# Altium PCB FLoRa0.0.PcbDoc (part 2 of 2)
Units mm, origin at the board's own origin, x right, y up, seen from the top; angles counter-clockwise.
Board outline 112 x 37.06 mm, 4 copper layers (Top Layer, GND, 3V3, Bottom Layer), stack 1.803 mm thick; 75 components, 70 nets, 305 pads, 330 vias.
Unrouted connection lines stored in the file: 3.
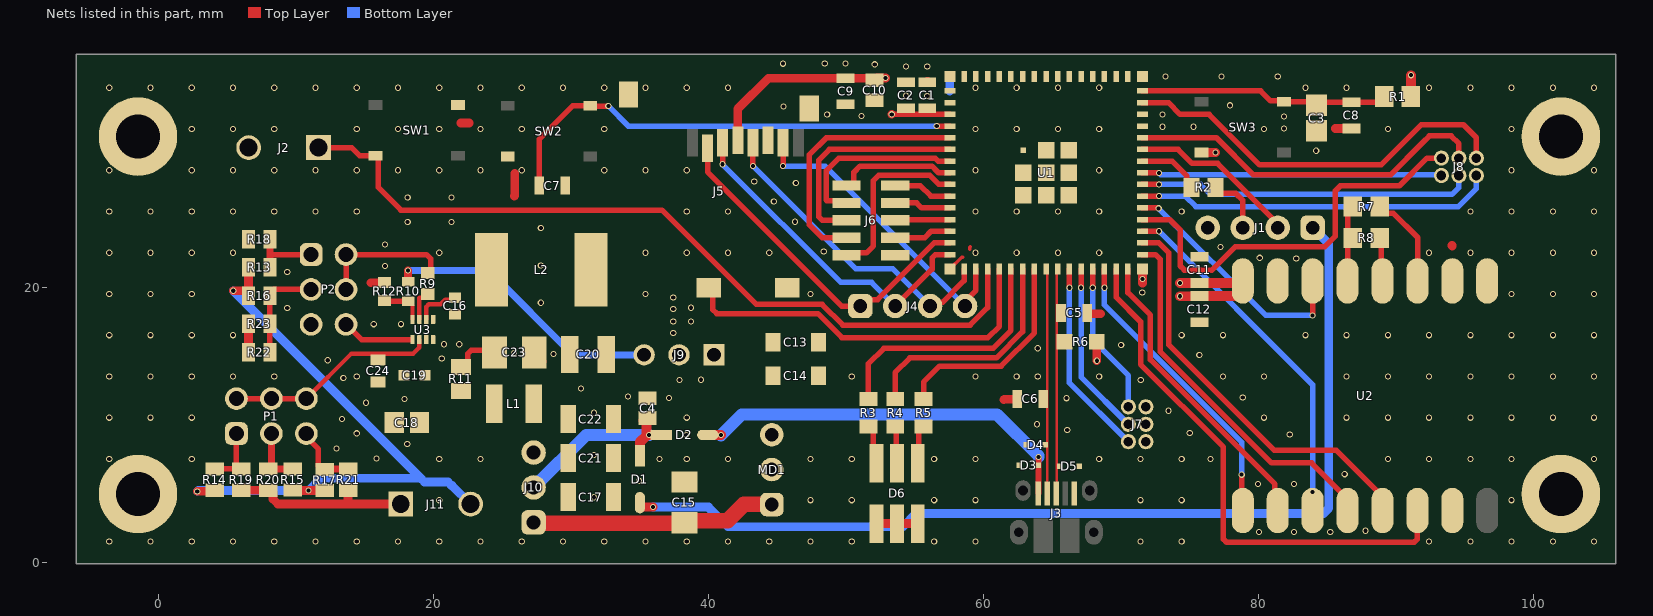
[diagram p4: the nets of this part, all layers, seen from the top]

## Via types
v1: diameter 0.45, hole 0.3, Top Layer to Bottom Layer, tented both sides, 330 vias

## Nets (pads, with @x,y where several pads share a name; then routed paths per layer and width w, separated by ;. In a path a pad name is that pad's centre, name@x,y a point inside that pad or via, vN(x,y) a via of type N, cw(c..) or ccw(c..) an arc to the next point about the centre after c; other vN are vias at no path point)
3V3: C1.1 C2.1 C9.1 C10.2 C11.1 C12.1 J5.P4 J7.2 J7.4 J9.2 R1.2 R6.2 U1.3 U2.3V3 | length 31
  Top Layer w0.4: v1@53.33,32.615 U1.3@57.55,32.615
  Top Layer w0.635: J5.P4@42.135,30.75 42.135,33.025 44.357,35.247 51.918,35.247 C10.2@52.075,35.091 ; C10.2@52.249,35.265 v1(52.876,35.265) ; v1(53.328,32.618) v1@53.33,32.615 ; v1(68.244,14.698) R6.2@68.244,16.078 ; U2.3V3@78.71,20.35 U2.3V3@78.86,20.5
  Top Layer w0.7: v1(74.296,19.39) C12.1@75.699,19.39 ; v1(74.297,20.35) C11.1@75.7,20.35 U2.3V3@78.71,20.35 ; C12.1@75.7,19.4 78.366,19.4 78.86,19.894 U2.3V3@78.86,20.5 ; R1.2@91.092,33.912 v1(91.092,35.465)
  other v1: 37.89,13.302 39.465,13.316 37.434,16.717 37.434,17.558 38.72,17.558 37.434,18.462 38.72,18.553 37.434,19.305
ANT_SW: R7.1 R8.1 U2.DIO2 | length 5.9
  Top Layer w0.4: U2.DIO2@86.48,20.5 86.48,23.247 R8.1@86.858,23.625 86.48,24.003 86.48,25.522 R7.1@86.858,25.9
B_LED: R3.1 U1.20 | length 18.4
  Top Layer w0.4: R3.1@51.633,11.917 51.633,14.481 52.751,15.599 60.704,15.599 62,16.895 62,20.39 U1.20@62,21.365
CHIP_PU: C3.1 C8.2 R1.1 SW3.2 U1.45 | length 18.3
  Top Layer w0.4: U1.45@71.55,34.315 80.164,34.315 80.879,33.6 SW3.2@81.86,33.6 ; SW3.2@81.86,33.545 83.951,33.545 C3.1@84.224,33.272 84.436,33.485 C8.2@86.764,33.485 88.715,33.485 R1.1@89.142,33.912
DATA_N: C6.1 D4.2 J3.2 U1.23 | length 15.5
  Top Layer w0.181: U1.23@64.55,21.375 64.63,21.295 64.63,18.786 64.63,8.995 64.63,8.568 64.63,5.95
DATA_P: C5.1 D5.2 J3.3 R6.1 U1.24 | length 15.5
  Top Layer w0.181: 65.32,5.95 65.32,21.295 65.4,21.375 U1.24@65.437,21.337
FB: R10.1 R12.2 U3.8 | length 3.2
  Top Layer w0.32: R10.1@18.166,19.033 18.466,18.732 U3.8@18.466,17.702
  Top Layer w0.4: R12.2@16.442,19.083 16.492,19.033 R10.1@18.166,19.033
FSPI_CLK: J4.3 J5.P5 U1.16 | length 22.9
  Top Layer w0.4: v1(43.235,28.86) J5.P5@43.235,30.55 ; J4.3@56.119,18.675 56.382,18.939 57.019,18.939 58.599,20.518 58.599,21.164 58.6,21.165 U1.16@58.6,21.365
  Bottom Layer w0.4: v1(43.235,28.86) 50.699,21.395 53.399,21.395 J4.3@56.119,18.675
FSPI_MISO: J4.4 J5.P7 U1.17 | length 22.2
  Top Layer w0.4: v1(45.415,28.86) 45.435,28.88 J5.P7@45.435,30.55 ; J4.4@58.659,18.675 58.659,19.019 59.45,19.81 59.45,20.39 U1.17@59.45,21.365
  Bottom Layer w0.4: v1(45.415,28.86) 48.474,28.86 J4.4@58.659,18.675
FSPI_MOSI: J4.2 J5.P3 U1.15 | length 24.4
  Top Layer w0.4: v1(41.026,28.984) 41.035,28.993 J5.P3@41.035,30.55 ; J4.2@53.579,18.675 56.264,21.36 56.264,22.181 56.498,22.415 U1.15@57.55,22.415
  Bottom Layer w0.4: v1(41.026,28.984) 49.62,20.39 51.864,20.39 J4.2@53.579,18.675
G_LED: R5.1 U1.22 | length 15.4
  Top Layer w0.4: R5.1@55.642,11.913 55.642,13.137 56.805,14.3 61.278,14.3 63.7,16.722 63.7,20.39 U1.22@63.7,21.365
GND: C1.2 C2.2 C3.2 C4.1 C5.2 C6.2 C7.1 C8.1 C9.2 C10.1 C11.2 C12.2 C13.2 C14.2 C15.2 C17.2 C18.2 C19.2 C20.1 C21.2 C22.2 C23.2 C24.2 D3.1 D4.1 D5.1 D6.1 D6.3 D6.5 J1.4 J2.2 J3.5 J5.CD2 J5.G1 J5.G2 J5.P6 J6.1 J7.6 J11.1 MD1.2 P2.5 pad.MH1 pad.MH2 pad.MH3 pad.MH4 R12.1 R18.1 R19.1 R20.1 R21.1 R22.1 R23.1 SW1.2 SW2.3 SW3.3 U1.1 U1.2 U1.42 U1.43 U1.46 U1.47 U1.48 U1.49 U1.50 U1.51 U1.52 U1.53 U1.54 U1.55 U1.56 U1.57 U1.58 U1.59 U1.60 U1.61 U1.61_1 U1.61_2 U1.61_3 U1.61_4 U1.61_5 U1.61_6 U1.61_7 U1.61_8 U1.62 U1.63 U1.64 U1.65 U2.GND U3.4 | length 33.8
  Top Layer w0.254: U1.63@57.55,21.365 58.411,22.226 58.502,22.226 ; 59.007,22.822 59.007,22.96 59.025,22.978
  Top Layer w0.635: R19.1@6.022,5.276 R20.1@7.962,5.276 8.162,5.276 8.32,5.119 8.32,4.642 8.692,4.27 13.783,4.27 ; R22.1@6.541,15.316 R23.1@6.541,17.372 ; R21.1@13.783,5.276 13.783,4.27 ; 15.447,20.375 16.435,20.375 R12.1@16.442,20.383 ; C18.2@17.065,10.266 C18.2@17.132,10.2 ; J11.1@17.603,4.27 13.783,4.27 ; 21.984,31.985 22.584,31.985 ; 25.879,26.67 25.909,26.699 25.909,28.321 ; C23.2@27.329,15.295 27.329,15.217 C23.2@27.912,14.635 ; C17.2@33.096,4.778 33.096,4.5 C17.2@33.329,4.268 ; C22.2@33.096,10.453 C22.2@33.329,10.686 ; C21.2@33.1,7.621 33.1,7.913 C21.2@33.333,8.145 ; J5.G1@34.153,34.072 J5.G1@34.175,34.05 ; C15.2@38.241,5.884 C15.2@38.252,5.873 ; J5.CD2@45.285,20.383 45.667,20 J5.CD2@45.725,20 ; C14.2@48,13.603 C14.2@48.05,13.653 ; C13.2@48,16.025 C13.2@48,16.15 ; C10.1@51.906,33.453 C10.1@51.998,33.545 ; D6.1@52.216,2.85 D6.3@53.716,2.85 D6.5@55.216,2.85 ; C1.2@55.914,35.002 C1.2@55.94,35.028 ; 61.468,11.859 61.512,11.903 62.414,11.903 62.425,11.913 C6.2@62.447,11.913 ; C5.2@67.539,18.179 67.572,18.146 67.572,18.12 68.504,18.12 ; 71.564,20.355 U1.64@71.564,21.351 ; SW3.3@75.86,29.845 v1(76.876,29.845) ; J1.4@76.32,24.095 J1.4@76.32,24.375 ; C3.2@83.781,31.864 C3.2@84.224,31.422 ; 85.598,31.585 C8.1@86.764,31.585 ; 94.075,23.07 94.1,23.045 ; U2.GND@94.1,3.8 U2.GND@94.107,3.793
  Bottom Layer w0.635: 57.55,34.315 57.55,35.365
  other v1: -3.586,1.554 -0.586,1.554 2.414,1.554 5.414,1.554 8.414,1.554 11.414,1.554 14.414,1.554 17.414,1.554 20.414,1.554 23.414,1.554 26.414,1.554 29.414,1.554 32.414,1.554 35.414,1.554 38.414,1.554 41.414,1.554 44.414,1.554 47.414,1.554 50.414,1.554 56.414,1.554 59.414,1.554 71.414,1.554 74.414,1.554 92.414,1.554 95.414,1.554 98.414,1.554 101.414,1.554 104.414,1.554 80.049,2.235 82.589,2.235 85.218,2.235 87.775,2.327 20.414,4.554 47.414,4.554 50.414,4.554 56.414,4.554 59.414,4.554 71.414,4.554 74.414,4.554 98.414,4.554 31.662,4.766 79.968,5.728 82.589,5.728 34.95,5.968 86.272,6.445 -3.586,7.554 2.414,7.554 20.414,7.554 23.414,7.554 36.437,7.554 38.414,7.554 41.414,7.554 47.414,7.554 50.414,7.554 56.414,7.554 59.414,7.554 68.414,7.554 71.414,7.554 74.414,7.554 76.508,7.554 89.414,7.554 92.414,7.554 95.414,7.554 98.414,7.554 104.414,7.554 15.84,7.577 31.662,7.841 12.943,8.32 18.089,8.639 38.379,9.288 82.275,9.327 14.414,9.416 75,9.44 66.096,9.667 63.884,10.08 13.35,10.456 -3.586,10.554 -0.586,10.554 2.414,10.554 38.414,10.554 80.414,10.554 86.414,10.554 89.414,10.554 92.414,10.554 95.414,10.554 98.414,10.554 101.414,10.554 104.414,10.554 31.662,10.917 73.459,11.06 15.079,11.64 17.877,11.921 66.038,11.973 37.135,11.988 78.86,12.025 34.153,12.099 30.729,12.672 71.434,13.295 13.439,13.448 -3.586,13.554 -0.586,13.554 2.414,13.554 5.414,13.554 8.414,13.554 14.414,13.554 50.414,13.554 59.414,13.554 62.414,13.554 63.943,13.555 68.414,13.554 77.414,13.554 80.414,13.554 86.414,13.554 89.414,13.554 92.414,13.554 95.414,13.554 98.414,13.554 101.414,13.554 104.414,13.554 12.308,14.734 20.593,14.867 75.699,15.103 28.736,15.186 25.859,15.249 63.943,15.599 70.015,15.834 20.768,15.898 21.867,15.899 -3.586,16.554 -0.586,16.554 2.414,16.554 5.414,16.554 74.414,16.554 77.414,16.554 83.414,16.554 86.414,16.554 89.414,16.554 92.414,16.554 95.414,16.554 98.414,16.554 101.414,16.554 104.414,16.554 15.649,17.355 17.636,17.355 9.361,18.52 27.804,18.917 -3.586,19.554 -0.586,19.554 2.414,19.554 35.414,19.554 47.414,19.554 98.414,19.554 101.414,19.554 104.414,19.554 71.55,19.648 71.564,20.64 9.361,21.142 16.46,21.586 27.804,21.629 82.745,22.123 80.092,22.181 -3.586,22.554 -0.586,22.554 2.414,22.554 5.414,22.554 20.414,22.554 35.414,22.554 38.414,22.554 41.414,22.554 44.414,22.554 59.414,22.554 62.414,22.554 65.414,22.554 68.414,22.554 92.414,22.554 95.414,22.554 98.414,22.554 101.414,22.554 104.414,22.554 48.383,22.647 77.235,22.978 16.477,23.154 27.804,24.341 18.117,24.78 21.307,24.78 46.285,24.801 -3.586,25.554 -0.586,25.554 2.414,25.554 5.414,25.554 8.414,25.554 11.414,25.554 14.414,25.554 38.414,25.554 41.414,25.554 59.414,25.554 62.414,25.554 65.414,25.554 68.414,25.554 74.414,25.554 95.414,25.554 98.414,25.554 101.414,25.554 104.414,25.554 44.749,26.267 18.117,26.564 21.307,26.564 46.35,27.62 43.329,27.727 -3.586,28.554 2.414,28.554 5.414,28.554 8.414,28.554 11.414,28.554 14.414,28.554 17.414,28.554 20.414,28.554 23.414,28.554 26.414,28.554 32.414,28.554 35.414,28.554 38.414,28.554 59.414,28.554 68.414,28.554 98.414,28.554 104.414,28.554 84.198,29.972 2.414,31.554 5.414,31.554 8.414,31.554 14.414,31.554 17.414,31.554 20.414,31.554 23.414,31.554 26.414,31.554 32.414,31.554 59.414,31.554 62.414,31.554 65.414,31.554 68.414,31.554 80.414,31.554 89.414,31.554 98.414,31.554 81.859,31.585 73.021,31.712 75.286,31.712 81.86,32.452 51.13,32.501 48.631,32.615 73.021,32.615 45.459,33.184 77.932,33.272 54.356,33.965 55.914,33.951 -3.586,34.554 -0.586,34.554 2.414,34.554 5.414,34.554 8.414,34.554 11.414,34.554 14.414,34.554 17.414,34.554 20.414,34.554 23.414,34.554 26.414,34.554 29.414,34.554 32.414,34.554 35.414,34.554 38.414,34.554 41.414,34.554 59.414,34.554 62.414,34.554 65.414,34.554 68.414,34.554 83.414,34.554 86.414,34.554 92.414,34.554 95.414,34.554 98.414,34.554 101.414,34.554 104.414,34.554 73.231,35.365 81.4,35.365 77.315,35.374 55.914,36.09 54.365,36.108 52.092,36.256 45.42,36.302 48.454,36.31 49.966,36.325
GPIO0_BOOT: C7.2 SW2.2 U1.4 | length 34.9
  Top Layer w0.4: C7.2@27.683,27.44 27.683,30.799 30.133,33.249 SW2.2@31.395,33.249 31.431,33.213 v1(32.713,33.213) ; v1(56.6,31.765) U1.4@57.55,31.765
  Bottom Layer w0.4: v1@32.714,33.213 34.163,31.765 v1(56.6,31.765)
GPIO1: J6.4 U1.5 | length 18.9
  Top Layer w0.4: J6.4@50.029,23.63 48.29,23.63 47.325,24.595 47.325,29.665 48.575,30.915 U1.5@57.55,30.915
GPIO2: J6.6 U1.6 | length 16.1
  Top Layer w0.4: J6.6@50.029,24.9 48.275,24.9 48,25.175 48,29.271 48.794,30.065 U1.6@57.55,30.065
GPIO3: J6.8 U1.7 | length 13.1
  Top Layer w0.4: J6.8@50.029,26.17 49.849,26.35 48.612,26.35 48.558,26.404 48.558,28.505 49.468,29.415 56.5,29.415 56.7,29.215 U1.7@57.55,29.215
GPIO4: J6.10 U1.8 | length 8.8
  Top Layer w0.4: J6.10@50.029,27.44 50.394,27.44 50.574,27.62 50.574,28.405 51.029,28.86 56.245,28.86 56.601,28.505 56.74,28.365 U1.8@57.55,28.365
GPIO5: J6.2 U1.9 | length 13
  Top Layer w0.4: J6.2@50.029,22.36 50.209,22.54 51.485,22.54 51.998,23.054 51.998,27.8 52.393,28.195 56.074,28.195 56.754,27.515 U1.9@57.55,27.515
GPIO6: J6.9 U1.10 | length 4.3
  Top Layer w0.4: J6.9@53.579,27.44 55.399,27.44 56.174,26.665 U1.10@57.55,26.665
GPIO7: J6.7 U1.11 | length 4.1
  Top Layer w0.4: J6.7@53.579,26.17 55.142,26.17 55.497,25.815 U1.11@57.55,25.815
GPIO8: J6.5 U1.12 | length 4
  Top Layer w0.4: J6.5@53.579,24.9 53.644,24.965 U1.12@57.55,24.965
GPIO9: J6.3 U1.13 | length 4.2
  Top Layer w0.4: J6.3@53.579,23.63 55.715,23.63 56.2,24.115 U1.13@57.55,24.115
GPIO21: J7.1 U1.25 | length 14.3
  Top Layer w0.4: v1(66.25,20) U1.25@66.25,21.365
  Bottom Layer w0.4: v1(66.25,20) 66.25,13.084 70.529,8.805 J7.1@70.54,8.805
GPIO26: J7.3 U1.26 | length 12.7
  Top Layer w0.4: v1(67.1,20) U1.26@67.1,21.365
  Bottom Layer w0.4: v1(67.1,20) 67.1,13.504 70.529,10.075 J7.3@70.54,10.075
GPIO38: J8.1 U1.34 | length 30.1
  Top Layer w0.4: U1.34@71.55,24.965 73.558,24.965 73.766,24.757 74.296,24.227 74.296,21.605 74.606,21.295 76.618,21.295 78.301,22.978 84.816,22.978 85.598,23.76 85.598,27.06 85.961,27.423 90.254,27.423 92.266,29.435 J8.1@93.305,29.435
GPIO40: J8.6 U1.36 | length 26.1
  Top Layer w0.4: U1.36@71.55,26.665 71.555,26.67 72.77,26.67 v1(72.775,26.675)
  Bottom Layer w0.4: v1(72.775,26.675) 74.668,26.675 75.443,25.9 94.535,25.9 95.845,27.21 J8.6@95.845,28.165
GPIO41: J8.4 U1.37 | length 24.4
  Top Layer w0.4: U1.37@71.55,27.515 v1(72.775,27.515)
  Bottom Layer w0.4: v1(72.775,27.515) 75.785,27.515 76.508,26.792 94.075,26.792 94.575,27.292 J8.4@94.575,28.165
GPIO42: J8.2 U1.38 | length 21.8
  Top Layer w0.4: U1.38@71.55,28.365 71.56,28.355 72.766,28.355 v1(72.775,28.346)
  Bottom Layer w0.4: v1(72.775,28.346) 72.909,28.212 93.258,28.212 J8.2@93.305,28.165
GPIO45: J8.3 U1.41 | length 26.6
  Top Layer w0.4: U1.41@71.55,30.915 76.948,30.915 79.651,28.212 89.607,28.212 91.945,30.55 92.44,31.045 94.01,31.045 94.575,30.48 J8.3@94.575,29.435
GPIO46: J8.5 U1.44 | length 29.3
  Top Layer w0.4: U1.44@71.55,33.465 73.459,33.465 74.309,32.615 76.418,32.615 80.092,28.941 88.93,28.941 91.853,31.864 94.896,31.864 95.845,30.915 J8.5@95.845,29.435
GPIO47: J7.5 U1.27 | length 11.1
  Top Layer w0.4: v1(67.95,20) U1.27@67.95,21.365
  Bottom Layer w0.4: v1(67.95,20) 67.95,16.207 70.54,13.617 J7.5@70.54,11.345
LoRa_BUSY: U1.28 U2.BUSY | length 21.7
  Top Layer w0.4: v1(68.8,20) U1.28@68.8,21.365 ; v1(78.778,6.408) 78.778,3.882 U2.BUSY@78.86,3.8
  Bottom Layer w0.4: v1(68.8,20) 68.8,18.752 78.778,8.774 v1(78.778,6.408)
LoRa_IRQ: U1.35 U2.DIO1 | length 18.1
  Top Layer w0.4: U1.35@71.55,25.815 72.708,25.815 v1(72.741,25.781) ; v1(83.94,17.986) U2.DIO1@83.94,20.5
  Bottom Layer w0.4: v1(72.741,25.781) 80.536,17.986 v1(83.94,17.986)
LoRa_NSS: U1.29 U2.NSS | length 39.2
  Top Layer w0.4: U1.29@69.65,21.365 69.65,19.315 71.434,17.531 71.434,14.433 77.453,8.414 77.453,1.726 77.687,1.492 91.326,1.492 91.56,1.726 U2.NSS@91.56,3.8
LoRa_RESET: U1.30 U2.RESET | length 22.1
  Top Layer w0.4: U1.30@70.5,21.365 70.5,19.655 72.139,18.017 72.139,14.781 81.191,5.728 81.191,4.009 U2.RESET@81.4,3.8
NetC13_1: C13.1 C14.1 J9.1 MD1.3 | length 0.1
  Top Layer w0.889: MD1.3@44.35,9.068 MD1.3@44.398,9.116 ; C14.1@44.652,13.555 C14.1@44.7,13.603
NetC15_1: C15.1 J10.1 MD1.1 | length 17.8
  Top Layer w1.143: J10.1@27.351,2.866 C15.1@38.196,2.866 ; C15.1@38.252,2.921 38.396,3.065 41.383,3.065 42.583,4.265 MD1.1@44.604,4.265
NetC16_1: C16.1 U3.6 | length 3.3
  Top Layer w0.32: U3.6@19.466,17.702 19.466,18.611 19.654,18.799 20.512,18.799 20.846,19.133 21.413,19.133 C16.1@21.561,19.282
NetC17_1: C17.1 C21.1 C22.1 J10.3 L1.1 | length 0.2
  Top Layer w0.635: J10.3@27.279,8.018 J10.3@27.28,8.017 ; C21.1@29.583,8.017 C21.1@29.7,7.899
NetC20_2: C20.2 J9.3 L2.2 R10.2 | length 20.6
  Top Layer w0.6: v1(18.135,21.265) 18.135,20.483 18.172,20.446 R10.2@18.172,20.438
  Bottom Layer w0.508: v1(18.135,21.265) 24.016,21.265 30.156,15.125 J9.3@35.315,15.125
NetC23_1: C23.1 R11.1 | length 3.4
  Top Layer w0.4: R11.1@21.984,14.248 22.128,14.248 22.503,14.623 22.503,15.209 22.738,15.443 24.203,15.443 C23.1@24.428,15.217
NetD1_2: D1.2 J1.1 | length 72.4
  Top Layer w0.635: D1.2@35.011,4.374 35.011,4.099 35.061,4.049 v1(35.969,4.049)
  Bottom Layer w0.635: v1(35.969,4.049) 39.992,4.049 41.419,2.622 54.148,2.622 55.118,3.593 84.746,3.593 85.118,3.964 85.118,23.197 J1.1@83.94,24.375
NetD2_2: D2.2 D3.2 J3.1 | length 28.7
  Top Layer w0.406: J3.1@64,5.05 64,7.684 v1(64.005,7.69)
  Top Layer w0.742: D2.2@39.952,9.299 v1(40.913,9.299)
  Bottom Layer w0.889: v1@40.902,9.272 42.425,10.795 60.988,10.795 64.005,7.777 v1(64.005,7.69)
NetD6_2: D6.2 R3.2 | length 3
  Top Layer w0.4: R3.2@51.633,9.917 51.752,9.917 51.998,9.671 51.998,7.468 D6.2@52.216,7.25
NetD6_4: D6.4 R4.2 | length 2.7
  Top Layer w0.4: R4.2@53.579,9.917 53.648,9.848 53.648,7.319 D6.4@53.716,7.25
NetD6_6: D6.6 R5.2 | length 2.9
  Top Layer w0.4: D6.6@55.216,7.25 55.302,7.335 55.302,9.667 55.548,9.913 R5.2@55.642,9.913
NetJ1_3: J1.3 R2.2 | length 4.4
  Top Layer w0.4: R2.2@76.876,27.3 76.876,27.196 77.199,26.873 77.491,26.873 77.497,26.867 78.349,26.867 78.86,26.356 J1.3@78.86,24.375
NetP1_1: P1.1 R14.1 R19.2 | length 4.6
  Top Layer w0.4: R14.1@4.082,6.826 R19.2@5.939,6.826 ; P1.1@5.664,9.396 5.664,7.101 R19.2@5.939,6.826 ; R19.2@6.022,6.826 R19.2@5.939,6.826
NetP1_3: P1.3 R15.1 R20.2 | length 4.3
  Top Layer w0.508: R20.2@7.962,6.826 8.204,6.826 R15.1@9.902,6.826 ; R20.2@8.204,7.047 P1.3@8.204,9.396
NetP1_5: P1.5 R17.1 R21.2 | length 5.1
  Top Layer w0.4: P1.5@10.744,9.396 10.744,9.156 11.632,8.269 11.632,7.037 R17.1@11.843,6.826 ; R21.2@13.369,7.053 R21.2@13.59,6.832
  Top Layer w0.508: R17.1@11.843,6.826 13.369,6.826 13.584,6.826 R21.2@13.59,6.832
NetP2_1: P2.1 R13.1 R18.2 | length 6.2
  Top Layer w0.4: 8.091,22.513 8.181,22.422 P2.1@11.094,22.422 P2.1@10.666,21.994 ; R13.1@8.1,21.494 R13.1@8.1,21.994
  Top Layer w0.508: R13.1@8.091,21.485 8.091,22.513 R18.2@8.091,23.541
NetP2_3: P2.3 R16.1 R22.2 R23.2 | length 7.4
  Top Layer w0.4: R22.2@8.091,15.316 R23.2@8.091,17.372 R16.1@8.091,19.428 8.091,19.607 8.366,19.882 P2.3@11.094,19.882 ; R16.1@8.1,19.515 R16.1@8.126,19.541
NetR9_1: R9.1 U3.7 | length 2.5
  Top Layer w0.32: U3.7@18.966,17.702 18.966,19.264 18.984,19.282 19.562,19.282 R9.1@19.795,19.515
PSU_EN: C24.1 P1.2 P1.4 P1.6 U3.2 | length 15.4
  Top Layer w0.32: P1.6@10.744,11.936 14.025,15.217 18.531,15.217 18.966,15.653 U3.2@18.966,16.232
  Top Layer w0.4: P1.2@5.664,11.936 P1.4@8.204,11.936 P1.6@10.744,11.936
R_LED: R4.1 U1.21 | length 17
  Top Layer w0.4: R4.1@53.579,11.917 53.579,13.838 54.64,14.9 56.254,14.9 56.264,14.91 60.94,14.91 62.85,16.82 62.85,20.39 U1.21@62.85,21.365
RT: P2.6 U3.1 | length 5.1
  Top Layer w0.4: P2.6@13.634,17.342 13.658,17.342 14.768,16.232 18.256,16.232
RX_EN: R7.2 U2.RXEN | length 6.9
  Top Layer w0.4: R7.2@88.809,25.9 89.274,25.435 89.802,25.435 91.585,23.652 91.585,20.525 U2.RXEN@91.56,20.5
SD_CD: J5.CD1 U1.19 | length 27.9
  Top Layer w0.4: J5.CD1@40.025,20 40.306,19.719 40.306,18.418 40.603,18.12 47.961,18.12 49.708,16.374 60.324,16.374 61.15,17.2 U1.19@61.15,21.365
SD_CS: J4.1 J5.P2 U1.14 | length 25.3
  Top Layer w0.4: J5.P2@39.935,30.15 39.935,28.425 49.685,18.675 J4.1@51.039,18.675 51.506,19.142 52.293,19.142 56.416,23.265 U1.14@57.55,23.265
SUBSPI_CLK: U1.32 U2.CLK | length 30.1
  Top Layer w0.4: U1.32@71.55,23.265 72.761,23.265 73.459,22.567 73.459,15.863 81.154,8.168 85.666,8.168 89.02,4.814 U2.CLK@89.02,3.8
SUBSPI_MISO: U1.33 U2.MISO | length 26.2
  Top Layer w0.4: U1.33@71.55,24.115 v1(72.775,24.115) ; U2.MISO@83.94,3.8 v1(83.94,5.144)
  Bottom Layer w0.4: v1(72.775,24.115) 83.94,12.95 v1(83.94,5.144)
SUBSPI_MOSI: U1.31 U2.MOSI | length 27.1
  Top Layer w0.4: U1.31@71.55,22.415 72.507,22.415 72.843,22.079 72.843,15.367 80.952,7.258 83.872,7.258 86.382,4.748 86.48,4.748 U2.MOSI@86.48,3.8
SW_OUT: C16.2 L2.1 U3.5
TX_EN: R8.2 U2.TXEN | length 3.2
  Top Layer w0.4: R8.2@88.809,23.625 88.915,23.52 88.915,20.605 U2.TXEN@89.02,20.5
U0RXD: J1.2 U1.40 | length 12.4
  Top Layer w0.4: U1.40@71.55,30.065 72.5,30.065 74.163,30.065 75.178,29.05 77.028,29.05 81.4,24.678 J1.2@81.4,24.375
U0TXD: R2.1 U1.39 | length 4.7
  Top Layer w0.4: U1.39@71.55,29.215 72.5,29.215 73.713,29.215 74.801,28.127 74.801,27.623 R2.1@75.124,27.3
USER_SW: J2.1 SW1.3 U1.18 | length 58.3
  Top Layer w0.4: J2.1@11.632,30.196 14.037,30.197 14.634,29.599 SW1.3@15.775,29.599 ; SW1.3@15.984,29.449 15.984,27.298 17.629,25.654 36.614,25.654 43.481,18.786 48.26,18.786 49.769,17.278 59.025,17.278 60.3,18.553 U1.18@60.3,21.365
V_IN: C18.1 C19.1 L1.2 R11.2 U3.3
V_PG: P2.2 P2.4 R9.2 | length 9.9
  Top Layer w0.4: P2.4@13.634,19.882 P2.2@13.634,22.422 19.483,22.422 19.781,22.125 19.781,21.058 R9.2@19.795,21.045
V_SUPPLY: C4.2 D1.1 D2.1 J10.2 J11.2 R13.2 R14.2 R15.2 R16.2 R17.2 | length 60.6
  Top Layer w0.635: v1(2.813,5.194) 3.999,5.194 R14.2@4.082,5.276 ; v1(5.43,19.786) 6.383,19.786 R16.2@6.541,19.628 ; R16.2@6.541,19.428 R16.2@6.541,19.628 ; R13.2@6.541,21.485 R16.2@6.541,19.628 ; R15.2@9.902,5.276 9.919,5.259 11.826,5.259 R17.2@11.843,5.276
  Top Layer w0.742: D1.1@35.011,7.775 35.011,8.778 35.532,9.299 v1(35.684,9.299) D2.1@36.514,9.299 ; C4.2@35.275,10.352 35.426,10.352 35.485,10.293 35.485,9.498
  Bottom Layer w0.635: v1(2.813,5.194) 2.878,5.259 v1(10.899,5.259) 11.792,6.152 19.064,6.152 ; v1(5.43,19.786) 19.064,6.152 ; J11.2@22.683,4.27 21.339,5.614 21.307,5.614 21.048,5.873 19.343,5.873 19.064,6.152
  Bottom Layer w0.889: J10.2@27.279,5.478 31.1,9.299 v1(35.684,9.299)
pads on no net: J3.4 J3.6 J3.7 J3.8 J3.9 J3.10 J3.11 J5.P1 J5.P8 SW1.1 SW1.4 SW2.1 SW2.4 SW3.1 SW3.4 U2.ANT
copper on no net: | length 4.7
  Top Layer w0.5: 1.25,9 ccw(c1,9) 1.25,9 ; 1.25,27 ccw(c1,27) 1.25,27 ; 100.269,26.971 ccw(c100.019,26.971) 100.269,26.971

## Polygon pours and split planes (outlines as drawn)
GND on Top Layer "Top GND" (solid, remove dead copper, pour order 32): -6,-0.061 106,-0.061 106,37 -6,37
NetC13_1 on Top Layer "alt 3v3 out" (solid, pour order 26): 40.05,12.071 43.474,8.015 45.414,8.015 46.35,8.987 46.35,16.525 45.3,17.575 40.395,17.575 39.314,16.495 39.175,16.495 39.175,14.3 39.175,13.108
3V3 on Top Layer "3v3 entry" (solid, pour order 24): 36.252,12.9 40.554,12.9 39.75,13.704 39.175,13.704 39.175,16.495 39.854,17.174 39.854,18.051 38.159,19.746 37.037,19.746 37.037,19.724 36.669,19.355 36.669,13.316
V_IN on Top Layer "vin" (solid, pour order 28): 24.808,9.345 24.808,13.442 23.479,13.442 22.962,12.926 22.962,12.59 20.446,12.59 20.446,14.157 19.69,14.914 19.69,16.612 19.291,16.612 19.291,15.194 18.966,14.869 18.967,14.867 18.903,14.805 18.75,14.653 18.75,9.416 18.967,9.199 19.113,9.345
SW_OUT on Top Layer "SW_OUT_L01_P023" (solid, remove dead copper, pour order 23): 19.79,16.954 19.79,18.495 22.3,18.495 22.413,19.188 22.413,24.88 22.645,25.111 26.066,25.111 26.477,24.7 26.477,18.267 25.164,16.954
V_SUPPLY on Top Layer "v supply" (solid, remove dead copper, pour order 29): 21.086,5.435 21.086,3.428 21.701,2.814 24.259,2.814 25.446,4.001 27.934,4.001 28.486,4.553 28.486,6.605 28.208,6.883 22.449,6.883
NetC17_1 on Top Layer "tps supply in" (solid, pour order 27): 25.35,7.601 25.35,13.767 28.757,13.767 30.75,11.775 30.75,3.967 30.553,3.77 29.105,3.77 28.649,4.226 28.649,6.645 28.173,7.121 25.75,7.121
NetC20_2 on Top Layer "3v3 out" (solid, pour order 25): 30.395,25.175 29.146,23.926 29.146,18.604 30.553,17.197 30.946,17.197 30.946,17.155 31.237,16.864 31.237,13.272 31.609,12.9 35.9,12.9 36.514,13.514 36.514,16.28 33.775,19.019 33.775,24.225 32.825,25.175
GND on Bottom Layer "Bottom GND" (solid, remove dead copper, pour order 31): -6,-0.061 106,-0.061 106,37 -6,37
no net on Top Solder "NONET_L01_P-001" (solid): 70.103,12.21 69.748,11.855 69.675,11.855 69.675,8.312 70.047,7.94 72.25,7.94 72.628,8.318 72.675,8.318 72.675,11.855 72.398,12.132 72.398,12.21
no net on Top Solder "NONET_L01_P-001" (solid): 63.693,7.216 63.693,7.673 63.785,7.765 64.103,7.765 64.193,7.676 64.193,7.182
no net on Top Solder "NONET_L01_P-001" (solid): 92.775,30.24 92.44,29.905 92.44,27.75 92.875,27.315 92.875,27.3 96.269,27.3 96.71,27.741 96.71,30.077 96.487,30.3 93.305,30.3
no net on Bottom Solder "NONET_L01_P-001" (solid): 96.487,30.3 96.71,30.077 96.71,27.741 96.269,27.3 92.875,27.3 92.875,27.315 92.44,27.75 92.44,29.905 92.775,30.3
no net on Bottom Solder "NONET_L01_P-001" (solid): 72.202,12.21 72.557,11.855 72.675,11.855 72.675,8.318 72.297,7.94 70.047,7.94 69.675,8.312 69.675,11.825 70.06,12.21 70.103,12.21
3V3 on 3V3 (split plane): 105.49,0.45 -5.49,0.45 -5.49,36.49 105.49,36.49
GND on GND (split plane): 105.49,0.45 -5.49,0.45 -5.49,36.49 105.49,36.49

## Keep-outs
Top Layer:
  circle w0.254: c1,9 r0.942
  circle w0.254: c1,27 r0.942
  circle w0.254: c100.019,26.971 r0.942
  region: 5.093,6.005 5.093,4.206 5.453,3.846 16.911,3.846 16.911,4.63 16.791,4.75 15.447,4.75 15.447,5.27 14.712,6.005 5.243,6.005 5.516,5.732
  region: 21.259,13.47 21.259,13.277 22.912,13.277 23.098,13.462 23.558,13.754 24.767,13.754 25.015,13.506 25.015,13.545 25.015,13.942 23.326,13.942 23.326,15.032 23.321,15.027 22.912,15.027 22.912,13.47
  region: 56.521,21.08 57.418,20.385 56.78,19.666 56.663,19.783 55.545,19.783 55.011,19.249 55.011,18.101 55.296,17.816 55.169,17.689 54.454,17.689 54.454,17.763 54.401,17.816 54.768,18.183 54.768,19.071 54.662,19.177 56.644,21.159 56.644,21.203
  region: 86.18,27.031 86.28,27.131 89.69,27.131 89.69,22.691 86.157,22.691

## Other copper
GND (plane layer: these items are gaps in the copper):
  region: 93.89,29.215 93.493,28.818 93.523,28.818 93.95,28.39 94.303,28.743 94.303,28.827
  region: 70.793,10.711 70.793,10.714 71.216,11.136 71.542,10.81 71.542,10.644 71.504,10.644 71.157,10.297
  region: 70.776,9.367 71.172,9.764 71.172,9.81 71.28,9.81 71.659,9.432 71.21,8.983 71.085,8.983
  region: 94.884,28.827 95.163,29.107 95.245,29.107 95.577,28.775 95.3,28.498 95.3,28.493 95.259,28.493 95.198,28.432
3V3 (plane layer: these items are gaps in the copper):
  region: 93.493,28.818 93.89,29.215 93.916,29.215 94.303,28.827 94.884,28.827 95.204,29.148 95.577,28.775 95.577,28.77 95.239,28.432 94.871,28.8 94.227,28.8 94.227,28.667 93.95,28.39

## Silkscreen, mask and mechanical layers (free items; w line width, h text height)
Top Overlay:
  text "USER" at 16.529,34.942 h1.02
  text "BOOT" at 25.09,34.942 h1.02
  text "RST" at 76.254,34.829 h1.02
Bottom Overlay:
  drawing of 6 lines, arcs and shapes, not listed
  text "FLoRa Communications" at 68.646,32.475 h1.52
  text "Petal Radio v0.0" at 68.646,29.895 h1.52
  text "October 15 2024" at 68.646,27.314 h1.52
Top Solder:
  circle w1: c1,9 r0.5
  circle w1: c1,27 r0.5
  circle w1: c100.019,26.971 r0.5
Drill Drawing:
  lines w0.381: -108.81,59.752 241.154,59.752 ; -108.81,94.042 241.154,94.042 ; -94.817,55.942 -94.817,97.852 ; -79.581,55.942 -79.581,97.852 ; -50.38,55.942 -50.38,97.852 ; -37.531,55.942 -37.531,97.852 ; -18.892,55.942 -18.892,97.852 ; 19.197,55.942 19.197,97.852 ; 34.179,55.942 34.179,97.852 ; 53.122,55.942 53.122,97.852 ; 88.417,55.942 88.417,97.852 ; 110.103,55.942 110.103,97.852 ; 143.977,55.942 143.977,97.852 ; 177.85,55.942 177.85,97.852 ; 205.528,55.942 205.528,97.852 ; -108.81,55.942 241.154,55.942 241.154,97.852 -108.81,97.852 -108.81,55.942
  text "Symbol" at -106.524,95.185 h1.83
  text "Count" at -93.674,95.185 h1.83
  text "Hole Size" at -78.438,95.185 h1.83
  text "Plated" at -49.237,95.185 h1.83
  text "Hole Type" at -36.388,95.185 h1.83
  text "Drill Layer Pair" at -17.749,95.185 h1.83
  text "Via/Pad" at 20.34,95.185 h1.83
  text "Pad Shape" at 35.322,95.185 h1.83
  text "Template" at 54.265,95.185 h1.83
  text "Description" at 89.56,95.185 h1.83
  text "Hole Tolerance (+)" at 111.246,95.185 h1.83
  text "Hole Tolerance (-)" at 145.12,95.185 h1.83
  text "Hole Length" at 178.993,95.185 h1.83
  text "Routed Path Length" at 206.671,95.185 h1.83
  text "2" at -93.674,91.375 h1.52
  text "27.56mil (0.700mm)" at -78.438,91.375 h1.52
  text "PTH" at -49.237,91.375 h1.52
  text "Slot" at -36.388,91.375 h1.52
  text "Top Layer - Bottom Layer" at -17.749,91.375 h1.52
  text "Pad" at 20.34,91.375 h1.52
  text "Rounded" at 35.322,91.375 h1.52
  text "r150_110h70_105r55" at 54.265,91.375 h1.52
  text "41.34mil (1.050mm)" at 178.993,91.375 h1.52
  text "13.78mil (0.350mm)" at 206.671,91.375 h1.52
  text "0.70" at -106.444,91.121 h1.69
  text "2" at -93.674,87.565 h1.52
  text "27.56mil (0.700mm)" at -78.438,87.565 h1.52
  text "PTH" at -49.237,87.565 h1.52
  text "Slot" at -36.388,87.565 h1.52
  text "Top Layer - Bottom Layer" at -17.749,87.565 h1.52
  text "Pad" at 20.34,87.565 h1.52
  text "Rounded" at 35.322,87.565 h1.52
  text "r180_130h70_120r65" at 54.265,87.565 h1.52
  text "47.24mil (1.200mm)" at 178.993,87.565 h1.52
  text "19.69mil (0.500mm)" at 206.671,87.565 h1.52
  text "0.70" at -106.444,87.311 h1.69
  text "4" at -93.674,83.755 h1.52
  text "51.18mil (1.300mm)" at -78.438,83.755 h1.52
  text "PTH" at -49.237,83.755 h1.52
  text "Round" at -36.388,83.755 h1.52
  text "Top Layer - Bottom Layer" at -17.749,83.755 h1.52
  text "Pad" at 20.34,83.755 h1.52
  text "(Mixed)" at 35.322,83.755 h1.52
  text "(Mixed)" at 54.265,83.755 h1.52
  text "-" at 178.993,83.755 h1.52
  text "-" at 206.671,83.755 h1.52
  text "1.30" at -106.444,83.501 h1.69
  text "4" at -93.674,79.945 h1.52
  text "125.98mil (3.200mm)" at -78.438,79.945 h1.52
  text "PTH" at -49.237,79.945 h1.52
  text "Round" at -36.388,79.945 h1.52
  text "Top Layer - Bottom Layer" at -17.749,79.945 h1.52
  text "Pad" at 20.34,79.945 h1.52
  text "Rounded" at 35.322,79.945 h1.52
  text "c570h320" at 54.265,79.945 h1.52
  text "-" at 178.993,79.945 h1.52
  text "-" at 206.671,79.945 h1.52
  text "3.20" at -106.444,79.691 h1.69
  text "12" at -93.674,76.135 h1.52
  text "27.56mil (0.700mm)" at -78.438,76.135 h1.52
  text "PTH" at -49.237,76.135 h1.52
  text "Round" at -36.388,76.135 h1.52
  text "Top Layer - Bottom Layer" at -17.749,76.135 h1.52
  text "Pad" at 20.34,76.135 h1.52
  text "Rounded" at 35.322,76.135 h1.52
  text "c110h70" at 54.265,76.135 h1.52
  text "-" at 178.993,76.135 h1.52
  text "-" at 206.671,76.135 h1.52
  text "0.70" at -106.444,75.881 h1.69
  text "12" at -93.674,72.325 h1.52
  text "43.31mil (1.100mm)" at -78.438,72.325 h1.52
  text "PTH" at -49.237,72.325 h1.52
  text "Round" at -36.388,72.325 h1.52
  text "Top Layer - Bottom Layer" at -17.749,72.325 h1.52
  text "Pad" at 20.34,72.325 h1.52
  text "(Mixed)" at 35.322,72.325 h1.52
  text "(Mixed)" at 54.265,72.325 h1.52
  text "-" at 178.993,72.325 h1.52
  text "-" at 206.671,72.325 h1.52
  text "1.10" at -106.444,72.071 h1.69
  text "17" at -93.674,68.515 h1.52
  text "39.37mil (1.000mm)" at -78.438,68.515 h1.52
  text "PTH" at -49.237,68.515 h1.52
  text "Round" at -36.388,68.515 h1.52
  text "Top Layer - Bottom Layer" at -17.749,68.515 h1.52
  text "Pad" at 20.34,68.515 h1.52
  text "(Mixed)" at 35.322,68.515 h1.52
  text "(Mixed)" at 54.265,68.515 h1.52
  text "-" at 178.993,68.515 h1.52
  text "-" at 206.671,68.515 h1.52
  text "1.00" at -106.444,68.261 h1.69
  text "127" at -93.674,64.705 h1.52
  text "11.81mil (0.300mm)" at -78.438,64.705 h1.52
  text "PTH" at -49.237,64.705 h1.52
  text "Round" at -36.388,64.705 h1.52
  text "Top Layer - Bottom Layer" at -17.749,64.705 h1.52
  text "Via" at 20.34,64.705 h1.52
  text "Rounded" at 35.322,64.705 h1.52
  text "(Mixed)" at 54.265,64.705 h1.52
  text "-" at 178.993,64.705 h1.52
  text "-" at 206.671,64.705 h1.52
  text "0.30" at -106.444,64.451 h1.69
  text "203" at -93.674,60.895 h1.52
  text "11.81mil (0.300mm)" at -78.438,60.895 h1.52
  text "PTH" at -49.237,60.895 h1.52
  text "Round" at -36.388,60.895 h1.52
  text "Top Layer - Bottom Layer" at -17.749,60.895 h1.52
  text "Via" at 20.34,60.895 h1.52
  text "Rounded" at 35.322,60.895 h1.52
  text "v45h30m0mx0_2670034071" at 54.265,60.895 h1.52
  text "-" at 178.993,60.895 h1.52
  text "-" at 206.671,60.895 h1.52
  text "0.30" at -106.444,60.641 h1.69
  text "383 Total" at -93.674,57.085 h1.52
  text "Slot definitions :" at -106.524,53.403 h1.52
  text "Routed Path Length" at -80.293,53.403 h1.52
  text "= Calculated from tool start centre position to tool end centre position." at -52.285,53.403 h1.52
  text "Hole Length" at -80.293,50.863 h1.52
  text "= Routed Path Length + Tool Size = Slot length as defined in the PCB layout" at -62.696,50.863 h1.52

## Text inside footprints (layer, text, board x,y; h text height)
J3: Board "PCB Edge" at 69.725,0.785 h0.75
U1: Top Overlay "ANT" at 63.153,33.191 h1.02